# KiCad board st251_21020.kicad_pcb (continued)
## Routing (per net, layer and track width the routed paths; a pad name or vN(x,y) marks a point on that pad's centre or on a via; arc(x,y) is an arc through that point) (continued)
/Analog/COILV: length 115.3
  Top w0.254: 4H1.12 v1(108.71,83.69)
  Top w0.508: C69.1 108.01,65.15 106.68,65.15 105.54,66.29 105.54,75.31 v1(104.27,76.58) ; v1(111.25,49.91) 111.25,42.8 C48.1
  Bottom w0.254: v1(108.71,83.69) 4H1.12
  Bottom w0.508: 4H1.12 113.41,83.44 115.32,83.44 116.08,82.68 116.08,66.17 111.25,61.34 v1(111.25,49.91) 111.51,49.66 115.44,49.66 120.52,44.58 J4.7 ; 104.9,83.69 104.9,86.74 98.42,93.22 98.42,96.39 Q3.4 Q3.3 ; 104.9,83.69 104.9,77.22 v1(104.27,76.58) ; 104.9,83.69 v1(108.71,83.69)
/Analog/COILW: length 166.7
  Top w0.254: v1(115.06,84.84) 114.94,84.96 4H1.11
  Top w0.508: C59.1 105.92,48.2 105.92,46.1 106.55,45.47 C47.1 109.98,45.47 109.98,51.18 v1(112.52,51.18) ; v1(96.39,88.01) 97.28,87.12 102.62,87.12 104.9,84.84 v1(106.17,84.84) ; 7F1.6 81.53,127.38 v1(80.77,126.62)
  Bottom w0.254: v1(115.06,84.84) 114.94,84.96 4H1.11
  Bottom w0.508: 4H1.11 106.3,84.96 v1(106.17,84.84) 106.17,87.12 99.82,93.47 99.82,103.25 98.93,104.14 98.92,104.14 Q4.4 Q4.3 ; v1(80.77,126.62) 81.41,125.98 81.41,105.66 84.46,102.62 87.38,102.62 95.63,94.36 95.63,88.77 v1(96.39,88.01) ; J4.5 123.06,43.69 115.82,50.93 112.78,50.93 v1(112.52,51.18) 112.52,60.45 117.22,65.15 117.22,84.33 116.97,84.58 115.32,84.58 v1(115.06,84.84)
/Analog/DRV_SEL: length 61.7
  Top w0.254: 2E1.13 77.09,26.42 v1(76.45,25.78) ; 1E1.8 70.61,17.53 v1(71.63,18.54) ; v1(55.5,16.76) 55.5,16.13 57.4,14.22 67.82,14.22 70.1,11.94 74.42,11.94 v1(75.44,12.95)
  Bottom w0.254: v1(76.45,25.78) 76.45,13.97 v1(75.44,12.95) ; 71.63,16.38 71.5,16.38 69.22,14.1 R13.1 ; 71.63,16.38 76.45,16.38 ; 71.63,16.38 v1(71.63,18.54) ; v1(55.5,16.76) 54.86,16.13 54.86,13.46 54.61,13.21 49.66,13.21 J7.12
/Analog/DS1: length 44.9
  Top w0.254: v1(68.07,10.8) 67.94,10.8 66.04,12.7 48.13,12.7 47.12,13.72 47.12,15.24 46.61,15.75 36.96,15.75 J7.2
  Bottom w0.254: J1.26 72.9,8 70.1,10.8 v1(68.07,10.8)
/Analog/DS2: length 39.4
  Top w0.254: v1(66.17,10.8) 66.17,9.91 66.04,9.78 61.09,9.78 59.82,11.05 41.66,11.05 J7.4
  Bottom w0.254: J1.28 70.36,8.38 69.09,9.65 67.31,9.65 v1(66.17,10.8)
/Analog/DS3: length 33.5
  Top w0.254: J7.6 41.02,14.48 43.82,11.68 60.32,11.68 61.34,10.67 63.37,10.67 v1(64.26,11.56)
  Bottom w0.254: v1(64.26,11.56) 64.26,11.43 67.82,7.87 J1.30
/Analog/DS4: length 28
  Top w0.254: v1(61.98,11.81) 61.6,12.19 45.59,12.19 J7.8
  Bottom w0.254: J1.32 65.28,8.51 v1(61.98,11.81)
/Analog/HDC1: length 52
  Top w0.254: 10E1.9 64.64,155.58 66.55,157.48 66.55,159.64 67.82,160.91 67.82,166.62 69.34,168.15 69.34,171.7 70.58,172.94 v1(70.58,176.8)
  Bottom w0.254: J6.1 94.11,183.22 92.5,181.61 89.28,181.61 87,179.32 71.63,179.32 70.58,178.28 v1(70.58,176.8)
/Analog/HDC2: length 46.7
  Top w0.254: v1(69.6,175.26) 69.98,174.88 69.98,173.36 68.71,172.09 68.71,168.91 67.18,167.39 67.18,161.29 65.91,160.02 65.91,157.99 64.77,156.85 10E1.8
  Bottom w0.254: v1(69.6,175.26) 69.6,178.44 71.12,179.96 85.72,179.96 J6.5
/Analog/HDC3: length 40.5
  Top w0.254: 10E1.7 64.64,158.12 65.28,158.75 65.28,160.27 66.55,161.54 66.55,167.64 68.07,169.16 68.07,173.23 v1(68.58,173.74)
  Bottom w0.254: J6.9 81.41,180.72 70.87,180.72 68.58,178.44 v1(68.58,173.74)
/Analog/HDC4: length 34.5
  Top w0.254: v1(66.8,170.43) 66.8,169.29 65.91,168.4 65.91,161.8 64.78,160.66 64.78,160.06 64.1,159.39 10E1.6
  Bottom w0.254: J6.13 76.96,181.36 70.48,181.36 67.44,178.31 67.44,171.07 v1(66.8,170.43)
/Analog/HDC5: length 28.7
  Top w0.254: 10E1.5 63.86,160.66 65.28,162.08 65.28,171.2 v1(66.17,172.09)
  Bottom w0.254: v1(66.17,172.09) 66.68,172.59 66.68,178.82 69.85,181.99 72.52,181.99 J6.17
/Analog/HDC6: length 23.9
  Top w0.254: v1(65.53,173.61) 64.78,172.85 64.78,162.57 64.13,161.93 10E1.4
  Bottom w0.254: J6.21 66.04,180.59 66.04,174.12 v1(65.53,173.61)
/Analog/HDSEL1: length 188.6
  Top w0.254: 10E1.17 72.14,161.93 69.09,158.88 69.09,155.7 67.94,154.56 67.94,151.26 67.44,150.75 67.44,149.86 68.58,148.72 v1(69.85,148.72)
  Bottom w0.254: v1(69.85,148.72) 56.01,134.87 56.01,126.37 53.21,123.57 53.21,120.52 52.32,119.63 52.32,107.57 55.12,104.78 55.12,99.06 56.01,98.17 56.01,89.79 54.74,88.52 54.74,65.02 60.71,59.06 62.23,59.06 63.25,58.04 64.9,58.04 65.41,57.53 68.96,57.53 70.61,55.88 70.61,52.58 73.53,49.66 74.04,49.66 82.17,41.53 82.17,38.86 85.6,35.43 85.6,25.78 86.66,24.71 86.66,11.25 88.14,9.78 J1.14
/Analog/HDSEL2: length 188.2
  Top w0.254: 10E1.16 71.88,160.66 69.72,158.5 69.72,153.42 v1(68.96,152.65)
  Bottom w0.254: v1(68.96,152.65) 66.42,150.11 66.42,148.59 54.1,136.27 54.1,127.25 50.29,123.44 50.29,119.76 50.93,119.13 50.93,106.93 52.83,105.03 52.83,96.14 51.94,95.25 49.91,95.25 49.66,95 49.66,92.33 49.91,92.08 52.45,92.08 53.47,91.06 53.47,63.75 59.44,57.79 61.09,57.79 RN1.4 65.28,53.59 67.44,53.59 80.9,40.13 80.9,37.59 84.33,34.16 84.33,24.89 84.96,24.26 84.96,12.32 83.06,10.41 J1.18
/Analog/HDSEL4: length 121.6
  Top w0.254: 65.53,55.88 66.04,55.88 68.33,53.59 v1(75.69,53.59)
  Bottom w0.254: 65.53,55.88 64.26,57.15 63.25,57.15 61.98,58.42 60.07,58.42 54.1,64.39 54.1,91.57 51.94,93.73 JP10.2 ; v1(75.69,53.59) 77.47,51.82 86.49,51.82 96.39,41.91 96.39,26.42 98.3,24.51 98.3,24 101.22,21.08 101.22,9.14 100.84,8.76 J1.4
/Analog/HDSEL4B: length 76.9
  Top w0.254: 10E1.15 71.5,159.39 70.36,158.24 70.36,152.4 68.45,150.5 v1(68.45,150.37)
  Bottom w0.254: JP10.1 JP11.2 54.36,97.09 54.36,104.52 51.56,107.32 51.56,119.89 50.93,120.52 50.93,123.19 54.74,127 54.74,135.76 67.31,148.34 67.31,149.23 v1(68.45,150.37)
/Analog/HDSEL8: length 67.5
  Bottom w0.254: 75.69,55.88 75.69,55.25 78.1,52.83 86.74,52.83 97.03,42.55 97.03,27.31 101.85,22.48 101.85,10.41 103.38,8.89 J1.2
/Analog/INDEX2: length 85.3
  Top w0.254: v1(93.47,36.45) R46.2 97.28,36.26 2F1.3 ; 91.44,56.26 90.81,56.9 v1(90.81,57.28) ; 91.44,56.26 93.04,56.26 C19.1 ; 91.44,56.26 91.44,44.58 90.93,44.07 v1(90.81,44.07) ; v1(90.93,88.65) 91.06,88.77 95.06,88.77 95.57,89.28 105.79,89.28 107.57,87.5 4H1.9
  Bottom w0.254: v1(90.93,88.65) 90.93,57.4 v1(90.81,57.28) ; v1(90.81,44.07) 90.81,38.99 93.34,36.45 v1(93.47,36.45)
/Analog/M_ENA: length 66.3
  Top w0.254: 7E1.26 74.29,138.18 73.15,139.32 v1(73.15,144.4) ; v1(104.9,174.37) 105.28,173.99 108.33,173.99
  Bottom w0.254: v1(104.9,174.37) 104.9,166.12 98.93,160.15 96.14,160.15 94.11,162.18 83.95,162.18 80.77,159 80.77,156.85 76.33,152.4 76.33,147.57 v1(73.15,144.4)
/Analog/M_ENB: length 62.5
  Top w0.254: v1(114.43,157.73) 116.46,159.77 10H1.11 ; 7E1.24 74.29,135.64 v1(73.15,136.78)
  Bottom w0.254: v1(73.15,136.78) 78.87,142.49 78.87,144.4 80.14,145.67 80.14,149.73 82.55,152.15 83.57,152.15 85.22,153.8 85.22,155.32 85.72,155.83 89.03,155.83 90.3,154.56 104.78,154.56 107.95,157.73 v1(114.43,157.73)
/Analog/M_ENC: length 48.9
  Top w0.254: v1(85.22,160.91) 85.85,161.54 85.85,165.35 88.52,168.02 10F1.1 ; v1(82.04,159) 82.04,156.46 85.85,152.65 v1(85.85,152.02) ; v1(73.53,133.1) 7E1.22
  Bottom w0.254: v1(85.85,152.02) 84.71,150.88 83.19,150.88 81.41,149.1 81.41,144.91 80.14,143.64 80.14,141.35 73.53,134.75 v1(73.53,133.1) ; v1(85.22,160.91) 83.95,160.91 v1(82.04,159)
/Analog/M_END: length 74.3
  Top w0.254: v1(86.49,154.69) 83.95,157.23 83.95,161.29 85.22,162.56 85.22,166.75 v1(85.85,167.39) ; v1(73.53,130.43) 73.66,130.56 7E1.20 ; 11F1.1 97.28,185.42 96.65,184.79 96.65,180.72 91.57,175.64 91.57,169.28 v1(91.01,168.73)
  Bottom w0.254: v1(86.49,154.69) 86.49,154.18 83.82,151.51 82.8,151.51 80.77,149.48 80.77,145.29 79.5,144.02 79.5,141.61 72.52,134.62 72.52,131.44 v1(73.53,130.43) ; v1(91.01,168.73) 89.67,167.39 v1(85.85,167.39)
/Analog/M_ENE: length 49.4
  Top w0.254: v1(73.15,127.89) 73.28,128.02 7E1.18 ; 10F1.11 98.93,153.29 99.06,153.16
  Bottom w0.254: v1(73.15,127.89) 74.42,129.16 74.42,134.24 80.77,140.59 80.77,143.26 82.04,144.53 82.04,148.21 84.07,150.24 85.6,150.24 87.88,152.53 88.84,152.53 89.47,153.16 98.81,153.16 v1(99.31,152.65)
/Analog/MOTA+: length 140.8
  Top w0.2: 11F1.13 109.47,176.53 109.85,176.91 109.85,177.17
  Top w0.254: v1(122.55,148.21) 121.41,147.07 118.73,147.07 116.38,144.72 116.38,144.7 116.2,144.53 116.2,136.91 110.49,131.19 98.3,131.19 97.03,132.46 7F1.15 ; 109.85,177.17 109.85,185.93 v1(106.81,188.98)
  Bottom w0.254: v1(106.81,188.98) 109.6,191.77 R67.1 111,193.55 112.39,193.55 113.79,194.95 128.27,194.95 128.4,194.82 128.4,185.67 129.67,184.4 129.67,181.61 128.65,180.59 128.65,171.58 124.59,167.51 124.59,154.05 122.94,152.4 122.94,148.59 v1(122.55,148.21) 121.41,147.07 121.41,141.99 122.55,140.84 R14.2
/Analog/MOTA-: length 118.1
  Top w0.2: 107.06,182.88 11F1.18
  Top w0.254: CR8.1 108.46,128.14 110.36,130.05 110.36,130.3 116.84,136.78 116.84,144.53 118.75,146.43 v1(122.68,146.43) ; 7F1.14 97.28,131.19 98.04,130.43 107.19,130.43 107.82,129.79 107.82,128.02 108.39,127.44 108.58,127.44 ; v1(104.9,183.9) 105.92,182.88 107.06,182.88 ; v1(116.33,186.94) 117.22,186.06 119.25,186.06 126.36,178.94 128.4,178.94 J5.10
  Bottom w0.254: v1(104.9,183.9) 105.54,183.9 107.44,185.8 115.19,185.8 v1(116.33,186.94) ; R15.2 122.62,146.37 v1(122.68,146.43) 122.81,146.43 123.7,147.32 123.7,151.89 125.22,153.42 125.22,166.88 131.19,172.85 131.19,176.15 J5.10
/Analog/MOTB+: length 46.3
  Top w0.254: 10H1.13 116.97,162.31 v1(114.3,159.64) ; v1(106.17,154.05) 105.03,154.05 104.59,153.61 R16.2
  Bottom w0.254: R81.1 116.08,181.87 113.66,179.45 113.66,174.5 112.78,173.61 112.78,161.16 v1(114.3,159.64) 115.7,158.24 115.7,157.35 114.3,155.96 107.57,155.96 106.17,154.56 v1(106.17,154.05)
/Analog/MOTB-: length 51.2
  Top w0.254: v1(112.52,149.61) 112.39,149.73 112.39,152.15 117.35,157.1 v1(119.63,157.1) ; 10H1.18 v1(116.33,168.66)
  Bottom w0.254: v1(116.33,168.66) 118.24,168.66 ; 118.24,168.66 118.24,175.9 J5.2 ; 118.24,168.66 118.24,158.37 119.51,157.1 v1(119.63,157.1) ; v1(112.52,149.61) 112.39,149.61 111.89,150.11 101.85,150.11 101.6,149.86 99.06,149.86 98.93,149.73 R17.2
/Analog/MOTC+: length 79.6
  Top w0.254: v1(115.7,164.08) 115.7,162.94 v1(114.43,161.67) ; 10F1.3 88.39,165.48 87.12,164.21 87.12,160.66 86.11,159.64 86.11,157.48 88.39,155.19 v1(88.39,153.92) ; v1(108.08,154.56) 110.49,152.15 R18.2
  Bottom w0.254: v1(115.7,164.08) 113.92,165.86 113.92,168.91 115.57,170.56 116.84,170.56 117.6,171.32 117.6,178.69 119.76,180.85 R67B1.1 ; v1(88.39,153.92) 103.63,153.92 104.9,152.65 107.06,152.65 108.08,153.67 v1(108.08,154.56) 108.71,155.19 114.43,155.19 116.33,157.1 116.33,159.64 114.43,161.54 v1(114.43,161.67)
/Analog/MOTC-: length 71.8
  Top w0.254: R20.2 100.2,150.75 v1(100.46,151) 100.46,157.67 101.73,158.94 v1(101.73,159.26) ; 10F1.8 v1(91.57,159.13)
  Bottom w0.254: v1(91.57,159.13) 91.82,158.88 99.06,158.88 99.44,159.26 v1(101.73,159.26) ; J5.4 122.3,177.04 121.03,175.77 121.03,173.86 120.14,172.97 120.14,163.45 121.41,162.18 121.41,156.21 119.89,154.69 119.89,151.38 119.13,150.62 100.84,150.62 v1(100.46,151)
/Analog/MOTD+: length 135.4
  Top w0.254: v1(118.24,155.83) 117.35,155.83 114.94,153.42 114.94,150.88 116.84,148.97 116.84,147.7 114.94,145.8 114.94,137.16 110.24,132.46 101.09,132.46 v1(100.46,133.1) 99.19,134.37 91.57,134.37 88.39,131.19 7F1.3 ; v1(97.92,142.62) 98.42,142.11 98.42,140.52 R36.2 ; v1(112.27,178.82) 114.05,178.82 v1(114.68,178.18) ; v1(100.84,182.88) 99.69,182.88
  Bottom w0.254: v1(118.24,155.83) 116.97,157.1 116.97,160.66 113.28,164.34 113.28,172.34 114.94,173.99 114.94,177.93 v1(114.68,178.18) ; R68.1 119,189.99 117.22,188.21 115.95,188.21 114.17,186.44 105.54,186.44 103.63,184.53 103.63,182.88 ; v1(97.92,142.62) 97.92,137.54 100.46,135 v1(100.46,133.1) ; 103.63,182.88 v1(100.84,182.88) ; 103.63,182.88 103.63,182.63 107.44,178.82 v1(112.27,178.82)
/Analog/MOTD-: length 133.4
  Top w0.2: 11F1.8 99.82,176.53 101.09,177.8 v1(101.09,178.18)
  Top w0.254: R37.2 79.76,129.98 79.76,130.81 81.41,132.46 88.52,132.46 91.06,135 100.08,135 101.98,133.1 110.05,133.1 114.3,137.35 114.3,146.56 v1(115.82,148.08) ; v1(111.76,189.87) 113.54,189.87 114.94,188.47 114.94,185.8 115.57,185.17 118.87,185.17 124.84,179.2 J5.6
  Bottom w0.2: v1(101.09,178.18) 99.19,180.09 99.19,185.93 100.33,187.07 107.44,187.07 109.35,188.98 110.87,188.98 v1(111.76,189.87)
  Bottom w0.254: v1(115.82,148.08) 117.09,149.35 120.4,149.35 121.16,150.11 121.16,153.8 122.68,155.32 122.68,163.58 122.05,164.21 122.05,170.31 123.57,171.83 123.57,175.64 124.84,176.91 J5.6
/Analog/MOTE+: length 124.8
  Top w0.254: 98.55,135.64 90.68,135.64 88.77,133.73 7F1.1 ; 98.55,135.64 100.46,135.64 102.36,133.73 109.73,133.73 113.66,137.67 113.66,148.46 v1(114.55,149.35) ; 98.55,135.64 98.55,137.16 98.17,137.54 R38.2 ; v1(111.25,171.58) 112.14,172.47 v1(116.33,172.47) 116.84,171.96 120.65,171.96 v1(121.41,171.2) ; 104.14,159.13 103,160.27 101.35,160.27 100.71,159.64 100.33,159.64 99.82,159.13 10F1.13
  Bottom w0.254: v1(111.25,171.58) 111.25,168.4 104.39,161.54 v1(104.39,158.88) ; v1(114.55,149.35) 115.19,149.99 119.63,149.99 120.52,150.88 120.52,154.43 122.05,155.96 122.05,162.94 121.41,163.58 v1(121.41,171.2) ; 119.63,187.07 119.63,185.93 118.11,184.4 118.11,180.72 116.33,178.94 v1(116.33,172.47)
/Analog/MOTE-: length 123.4
  Top w0.254: R39.2 97.54,147.96 v1(95.5,145.92) ; 10F1.18 101.73,165.48 105.54,169.29 105.54,171.45 106.17,172.09 109.98,172.09 111.51,173.61 116.71,173.61 117.86,172.47 125.09,172.47 v1(125.73,171.83) ; 7F1.16 97.92,133.73 v1(98.55,133.1) 98.55,132.97 99.69,131.83 110.36,131.83 115.7,137.16 115.7,145.16 118.49,147.96 v1(118.87,147.96)
  Bottom w0.254: v1(98.55,133.1) 98.55,134.11 96.01,136.65 96.01,145.42 v1(95.5,145.92) ; v1(118.87,147.96) 119.76,148.84 120.9,148.84 121.67,149.61 121.67,152.91 123.32,154.56 123.32,164.21 122.68,164.85 122.68,169.8 124.71,171.83 v1(125.73,171.83) 126.11,172.21 126.11,175.64 127.38,176.91 J5.8
/Analog/REC_MODE: length 142.5
  Top w0.254: v1(25.91,10.92) 24.26,12.57 20.7,12.57 19.94,11.81 19.94,9.91 18.92,8.89 J2.7 ; J7.14 51.56,14.48 52.93,15.84 54.52,15.84 v1(55.75,14.61) 56.64,13.72 67.44,13.72 69.72,11.43 75.06,11.43 76.07,10.41 85.22,10.41 v1(85.6,10.8)
  Bottom w0.254: J1.16 v1(85.6,10.8) 85.6,24.77 84.96,25.4 84.96,34.8 81.53,38.23 81.53,40.58 68.83,53.28 68.83,55.12 RN1.6 ; v1(55.75,14.61) 55.75,12.83 55.12,12.19 27.18,12.19 v1(25.91,10.92)
/Analog/RREF: length 25.6
  Top w0.254: R50.2 127.38,109.09 128.91,107.57 Q6.3 ; 4H1.1 111.89,98.93 115.19,98.93 117.98,101.73 117.98,103.25 121.54,106.81 125.48,106.81 127.25,108.59 127.25,109.09
/Analog/UHALL+: length 66.6
  Bottom w0.254: J4.1 126.87,42.16 119.9,42.16 119.25,41.52 119.25,39.37 118.87,38.99 110.87,38.99 106.68,43.18 106.68,63.75 105.41,65.02 105.41,73.47 105.22,73.66 105.22,75.76 109.35,79.88 4H1.15
/Analog/UHALL-: length 44
  Bottom w0.254: 113.16,78.61 109.35,78.61 107.31,76.58 107.31,73.85 107.25,73.79 ; C36.1 106.81,73.34 106.81,65.02 107.44,64.39 107.44,46.1 110.11,43.43 J4.13
/Analog/VHALL+: length 44.1
  Bottom w0.254: J4.10 119.25,42.16 119.25,44.45 117.22,46.48 111.38,46.48 109.35,48.51 109.35,63.25 112.52,66.42 112.52,69.28 C37.1 111.89,69.92 111.89,73.53 4H1.19
/Analog/VHALL-: length 38.4
  Top w0.254: v1(113.16,47.88) 114.17,46.86 114.17,42.16 J4.12
  Bottom w0.254: 4H1.20 114.43,72.26 114.43,70.49 114.11,70.17 C37.2 113.79,69.28 113.79,66.42 109.98,62.61 109.98,49.15 111.25,47.88 v1(113.16,47.88)
/Analog/WHALL+: length 45
  Bottom w0.254: 4H1.17 109.98,77.34 108.71,76.07 108.71,67.44 108.08,66.8 108.08,47.24 109.98,45.34 113.16,45.34 114.17,44.32 114.17,42.8 114.81,42.16 116.71,42.16 J4.9
/Analog/WHALL-: length 42.4
  Bottom w0.254: J4.11 115.44,45.09 114.68,45.85 110.74,45.85 108.71,47.88 108.71,63.88 109.98,65.15 109.98,67.06 110.62,67.69 110.62,69.72 109.35,70.99 109.35,75.31 110.11,76.07 113.16,76.07
/Analog/WRT_FAULT: length 14.3
  Top w0.254: 2E1.1 78.36,34.16 78.74,34.54 78.74,36.2 78.47,36.46 JP1.1 2E1.6
/Analog/~{WRT_GATE}: length 203.5
  Top w0.254: v1(43.94,54.23) 44.07,54.36 47.24,54.36 48.01,53.59 60.2,53.59 61.34,52.45 76.33,52.45 76.96,53.09 76.96,53.98 76.33,54.61 74.42,54.61 RN1.8 ; v1(18.92,111.63) 18.67,111.89 6A1.37 ; v1(45.34,96.14) 42.54,93.34 32.89,93.34 v1(28.19,88.65)
  Bottom w0.254: v1(18.92,111.63) 19.18,111.38 19.18,106.68 20.07,105.79 20.07,102.62 20.7,101.98 22.35,101.98 22.48,101.85 22.99,101.85 23.3,101.54 C4.1 25.53,100.71 27.05,99.19 27.05,89.79 v1(28.19,88.65) ; J1.6 98.3,9.27 97.41,10.16 97.41,13.08 100.46,16.13 100.46,20.19 97.03,23.62 97.03,24.38 95.63,25.78 95.63,41.28 86.11,50.8 76.58,50.8 73.15,54.23 RN1.8 ; v1(43.94,54.23) 44.58,54.86 44.58,95.38 v1(45.34,96.14)
/Digital/0101: length 168.4
  Top w0.254: v1(66.17,118.87) 66.17,121.67 63.63,124.21 63.63,125.35 62.36,126.62 59.56,126.62 58.73,125.79 55.56,125.79 55.24,125.48 55.24,124.46 ; v1(60.58,42.55) 60.83,42.8 64.13,42.8 68.58,47.24 82.17,47.24 83.31,48.39 v1(83.31,54.23) ; v1(58.67,19.81) 59.31,19.81 59.94,20.45 1D1.6
  Bottom w0.254: v1(60.58,42.55) 60.58,41.4 57.79,38.61 57.79,25.15 55.63,22.99 55.63,21.84 56.13,21.34 57.15,21.34 v1(58.67,19.81) ; v1(83.31,54.23) 77.6,54.23 76.96,54.86 76.96,57.53 83.06,63.63 83.06,82.99 74.23,91.82 63.63,91.82 61.98,93.47 61.98,107.44 64.26,109.73 64.26,116.97 v1(66.17,118.87)
/Digital/A0: length 110.3
  Top w0.254: v1(65.91,35.05) 66.17,34.8 2D1.1 ; 4A1.8 9.14,76.45 9.14,66.04 9.52,65.66 11.68,65.66 12.32,66.29 20.45,66.29 24.26,62.48 v1(25.27,62.48) ; v1(65.91,48.13) 65.91,47.56 63.44,45.09 61.85,45.09 58.42,48.51 41.02,48.51 37.72,51.82 37.72,54.99 34.54,58.17 29.84,58.17 27.56,55.88 27.05,55.88 27.05,55.88 24.45,55.88 23.43,54.86 v1(21.72,54.86)
  Bottom w0.254: v1(65.91,48.13) 65.91,46.48 65.15,45.72 65.15,40.13 65.66,39.62 65.66,35.31 v1(65.91,35.05) ; v1(21.72,54.86) 21.72,56.39 23.24,57.91 23.24,60.83 24.89,62.48 v1(25.27,62.48)
/Digital/A1: length 99.8
  Top w0.254: 3A1.6 25.66,57.15 v1(27.18,58.67) 27.18,58.93 34.67,58.93 38.35,55.25 38.35,52.07 41.27,49.15 58.67,49.15 61.85,45.97 63.12,45.97 v1(64.26,47.12) ; 4A1.7 8.51,78.36 8.51,65.79 9.27,65.02 12.06,65.02 12.7,65.66 20.07,65.66 25.27,60.45 v1(25.27,59.94) ; 2D1.2 64.9,33.78 64.26,34.42 v1(64.26,35.05)
  Bottom w0.254: v1(25.27,59.94) 25.78,59.94 27.05,58.67 v1(27.18,58.67) ; v1(64.26,35.05) v1(64.26,47.12)
/Digital/A2: length 101.2
  Top w0.254: 2D1.3 63.63,34.04 v1(62.61,35.05) ; 4A1.6 7.87,80.26 7.87,65.02 8.51,64.39 12.32,64.39 12.95,65.02 19.69,65.02 23.75,60.96 3A1.7 25.78,58.8 27.05,60.07 34.42,60.07 38.99,55.5 38.99,52.45 41.66,49.78 59.05,49.78 61.85,46.99 v1(62.48,46.99)
  Bottom w0.254: v1(62.48,46.99) 63.63,45.85 63.63,38.35 62.61,37.34 v1(62.61,35.05)
/Digital/A3: length 38.3
  Top w0.254: 3A1.8 22.48,60.58 19.05,64.01 v1(17.91,64.01) ; v1(15.37,81.53) v1(19.3,81.53)
  Bottom w0.254: v1(15.37,81.53) 14.22,81.53 4A1.5 ; v1(17.91,64.01) 17.91,64.39 21.72,68.2 21.72,76.71 19.81,78.61 19.81,81.03 v1(19.3,81.53)
/Digital/A4: length 48.4
  Top w0.254: 6B1.19 45.28,102.81 44.7,102.24 42.67,102.24 39.37,98.93 26.29,98.93 24.13,96.77 24.13,87.88 v1(22.99,86.74)
  Bottom w0.254: 4A1.4 12.83,87.88 13.97,86.74 v1(22.99,86.74)
/Digital/A5: length 41.3
  Top w0.254: 6B1.15 40.2,101.93 38.61,100.33 25.4,100.33 22.73,97.66 22.73,92.58 20.45,90.3 v1(20.45,89.79)
  Bottom w0.254: 4A1.3 11.43,91.44 13.84,91.44 15.49,89.79 v1(20.45,89.79)
/Digital/A6: length 42.4
  Top w0.254: 6B1.16 41.47,102.05 39.12,99.7 25.65,99.7 23.49,97.54 23.49,91.57 v1(22.35,90.42)
  Bottom w0.254: 4A1.2 11.3,92.08 14.1,92.08 15.11,91.06 21.72,91.06 v1(22.35,90.42)
/Digital/A7: length 35.5
  Top w0.254: 6B1.12 36.39,101.54 35.81,100.97 24.64,100.97 21.72,98.04 v1(21.72,93.34)
  Bottom w0.254: v1(21.72,93.34) 16.26,93.34 14.1,95.5 4A1.1
/Digital/A8: length 57.7
  Top w0.254: 6B1.2 45.28,112.41 44.89,112.01 42.42,112.01 41.15,110.74 38.23,110.74 37.59,110.11 36.32,110.11 32.13,105.92 27.18,105.92 24.89,103.63 15.37,103.63 14.35,102.62 14.35,93.1 v1(14.49,92.96)
  Bottom w0.254: 25.65,92.96 24.64,91.95 15.51,91.95 v1(14.49,92.96)
/Digital/A9: length 56.5
  Top w0.254: 36.39,113.41 36.39,112.41 36,112.01 35.05,112.01 30.99,107.95 26.16,107.95 24,105.79 13.97,105.79 12.32,104.14 12.32,90.93 v1(12.83,90.42)
  Bottom w0.254: v1(12.83,90.42) 13.59,90.42 15.11,88.9 24.13,88.9 25.65,90.42
/Digital/A10: length 63.3
  Top w0.254: v1(14.48,85.47) 14.48,86.36 13.59,87.25 13.59,88.9 14.22,89.54 14.22,90.68 12.95,91.95 12.95,103.38 14.48,104.9 24.26,104.9 26.67,107.32 31.37,107.32 35.43,111.38 36.7,111.38 37.21,111.89 39.68,111.89 40.2,112.41 6B1.6
  Bottom w0.254: 25.65,82.8 22.99,85.47 v1(14.48,85.47)
/Digital/A11: length 59.8
  Top w0.254: 6B1.5 41.47,111.96 40.89,111.38 37.59,111.38 36.96,110.74 35.81,110.74 31.62,106.55 26.92,106.55 24.64,104.27 14.99,104.27 13.72,103 13.72,92.33 14.86,91.19 14.86,88.27 v1(14.48,87.88)
  Bottom w0.254: 25.65,87.88 v1(14.48,87.88)
/Digital/D0: length 119.6
  Top w0.254: 4A1.9 15.49,70.1 20.07,70.1 24.13,66.04 27.56,66.04 28.45,66.93 v1(40.13,66.93) ; v1(11.18,56.39) 11.43,56.13 11.43,55.25 10.8,54.61 3A1.20 ; 6C1.18 59.05,107.82 57.91,106.68 57.4,106.68 56.39,105.66 v1(45.97,105.66) 45.09,105.66 44.7,105.28 44.58,105.28 44.01,104.72 6B1.18
  Bottom w0.254: v1(11.18,56.39) 11.18,58.8 9.65,60.33 9.65,61.85 12.95,65.15 12.95,72.64 4A1.9 ; v1(40.13,66.93) 41.4,68.2 41.4,101.09 v1(45.97,105.66)
/Digital/D1: length 111.6
  Top w0.254: 9.4,55.88 8.13,55.88 8,56.01 v1(8,59.18) ; 6C1.14 53.98,107.95 53.09,107.06 47.75,107.06 47.5,107.32 43.94,107.32 42.42,105.79 v1(42.16,105.79) 39.62,105.79 38.93,105.1 6B1.14 ; v1(38.23,65.66) 28.57,65.66 27.94,65.02 23.88,65.02 19.43,69.47 13.59,69.47 4A1.10
  Bottom w0.254: v1(38.23,65.66) 38.23,68.96 40.13,70.87 40.13,103.76 v1(42.16,105.79) ; 4A1.10 8.38,70.61 8.38,62.36 8,61.98 v1(8,59.18)
/Digital/D2: length 110.4
  Top w0.254: v1(40.13,65.02) 39.62,64.52 37.59,64.52 37.08,65.02 28.83,65.02 28.19,64.39 23.49,64.39 19.05,68.83 11.68,68.83 4A1.11 ; 3A1.18 9.4,57.15 v1(9.4,58.29) ; 6C1.17 57.79,107.82 56.26,106.3 47.24,106.3 46.99,106.55 44.7,106.55 v1(43.94,105.79) 42.74,104.59 6B1.17
  Bottom w0.254: v1(43.94,105.79) 40.77,102.62 40.77,69.6 38.86,67.69 38.86,66.55 40.13,65.28 v1(40.13,65.02) ; v1(9.4,58.29) 9.02,58.67 9.02,63.37 11.94,66.29 11.94,68.58 4A1.11
/Digital/D3: length 106
  Top w0.254: 6B1.13 37.66,105.74 38.86,106.93 v1(40.26,106.93) 41.4,108.08 48.01,108.08 48.26,107.82 52.2,107.82 52.71,108.33 6C1.13 ; v1(36.96,68.33) 28.07,68.33 27.3,67.56 23.88,67.56 20.7,70.74 15.75,70.74 12.95,73.53 v1(12.95,75.18) ; v1(10.92,60.83) 11.05,60.71 3A1.17
  Bottom w0.254: v1(40.26,106.93) 39.5,106.17 39.5,71.76 36.96,69.22 v1(36.96,68.33) ; v1(12.95,75.18) 12.95,73.53 13.72,72.77 13.72,64.77 10.92,61.98 v1(10.92,60.83)
/Digital/D4: length 110
  Top w0.254: 6C1.3 59.05,118.91 57.62,117.48 54.48,117.48 52.83,115.82 49.28,115.82 48.64,115.19 v1(44.32,115.19) 44.01,114.88 6B1.3 ; v1(33.27,70.1) 22.61,70.1 21.34,71.37 16.76,71.37 v1(14.86,73.28) ; 3A1.16 12.32,56.9 v1(12.83,56.39)
  Bottom w0.254: v1(33.27,70.1) 38.23,75.06 38.23,110.93 41.08,113.79 42.93,113.79 v1(44.32,115.19) ; v1(14.86,73.28) 14.86,64.77 12.19,62.1 12.19,57.02 v1(12.83,56.39)
/Digital/D5: length 100.5
  Top w0.254: 3A1.15 13.59,60.71 v1(13.46,60.83) ; 6C1.8 52.71,118.36 51.94,117.6 42.29,117.6 41.27,116.59 39.12,116.59 v1(37.72,115.19) 37.66,115.13 6B1.8 ; v1(33.15,72.64) 18.03,72.64 v1(15.49,75.18)
  Bottom w0.254: v1(13.46,60.83) 15.37,62.74 15.37,72.14 16,72.77 16,74.68 v1(15.49,75.18) ; v1(33.15,72.64) 32.51,73.28 32.51,77.85 36.32,81.66 36.32,113.79 v1(37.72,115.19)
/Digital/D6: length 104.1
  Top w0.254: v1(15.49,77.09) 17.4,75.18 v1(33.78,75.18) ; v1(14.73,56.52) 14.86,56.64 3A1.14 ; 6C1.7 53.98,118.99 53.31,118.32 53.31,118.24 53.12,118.05 53.04,118.05 51.95,116.97 42.8,116.97 41.02,115.19 v1(39.5,115.19) 38.93,114.63 6B1.7
  Bottom w0.254: v1(33.78,75.18) 33.78,77.98 36.88,81.08 36.88,112.57 v1(39.5,115.19) ; v1(14.73,56.52) 14.73,61.21 16,62.48 16,71.76 16.64,72.39 16.64,75.95 v1(15.49,77.09)
/Digital/D7: length 98.1
  Top w0.254: v1(16,60.83) 16.13,60.71 3A1.13 ; 6C1.4 57.79,118.38 57.39,117.98 53.7,117.98 52.04,116.33 43.56,116.33 v1(42.42,115.19) 42.74,114.86 6B1.4 ; v1(17.4,77.72) v1(35.18,77.72)
  Bottom w0.254: v1(42.42,115.19) 41.15,115.19 37.59,111.63 37.59,80.14 v1(35.18,77.72) ; v1(16,60.83) 16.64,61.47 16.64,71.37 17.4,72.14 v1(17.4,77.72)
/Digital/DEBUG_PIN: length 15
  Top w0.254: v1(7.24,46.36) 7.88,46.99 3A1.26
  Bottom w0.254: v1(7.24,46.36) 5.84,44.96 5.84,40.89 8.38,38.35 11.36,38.35
/Digital/DIRECTION: length 16.7
  Top w0.254: 57.79,124.46 57.79,123.7 v1(59.05,122.43) ; 6C1.15 55.24,111.51 56.26,112.52 v1(56.51,112.52)
  Bottom w0.254: v1(56.51,112.52) 56.51,118.43 59.05,120.97 v1(59.05,122.43)
/Digital/EMS: length 15.9
  Top w0.254: v1(68.2,26.92) 68.96,26.16 73.66,26.16 74.55,27.05 2E1.11 ; v1(68.45,23.37) 68.33,23.24 65.41,23.24 65.02,22.86 1D1.2
  Bottom w0.254: v1(68.2,26.92) 68.2,23.62 v1(68.45,23.37)
/Digital/MCU_INDEX: length 36.2
  Top w0.254: 33.65,25.27 33.65,25.91 v1(32,27.56) ; 3A1.33 16.13,40.26 17.78,38.61 19.81,38.61 22.35,41.15 27.43,41.15 v1(28.45,42.16)
  Bottom w0.254: v1(32,27.56) 31.75,27.56 28.7,30.61 28.7,41.91 v1(28.45,42.16)
/Digital/PA2: length 32